# Altium PCB OECU_BASE.PcbDoc (part 2 of 6)
Units mil, origin at the board's own origin, x right, y up, seen from the top; angles counter-clockwise.
Board outline 3937.01 x 3937.01 mil, 6 copper layers (SIG1, GND1, SIG2, POWER, GND2, SIG3), stack 60.566 mil thick; 357 components, 364 nets, 1500 pads, 1127 vias.
Unrouted connection lines stored in the file: 1.
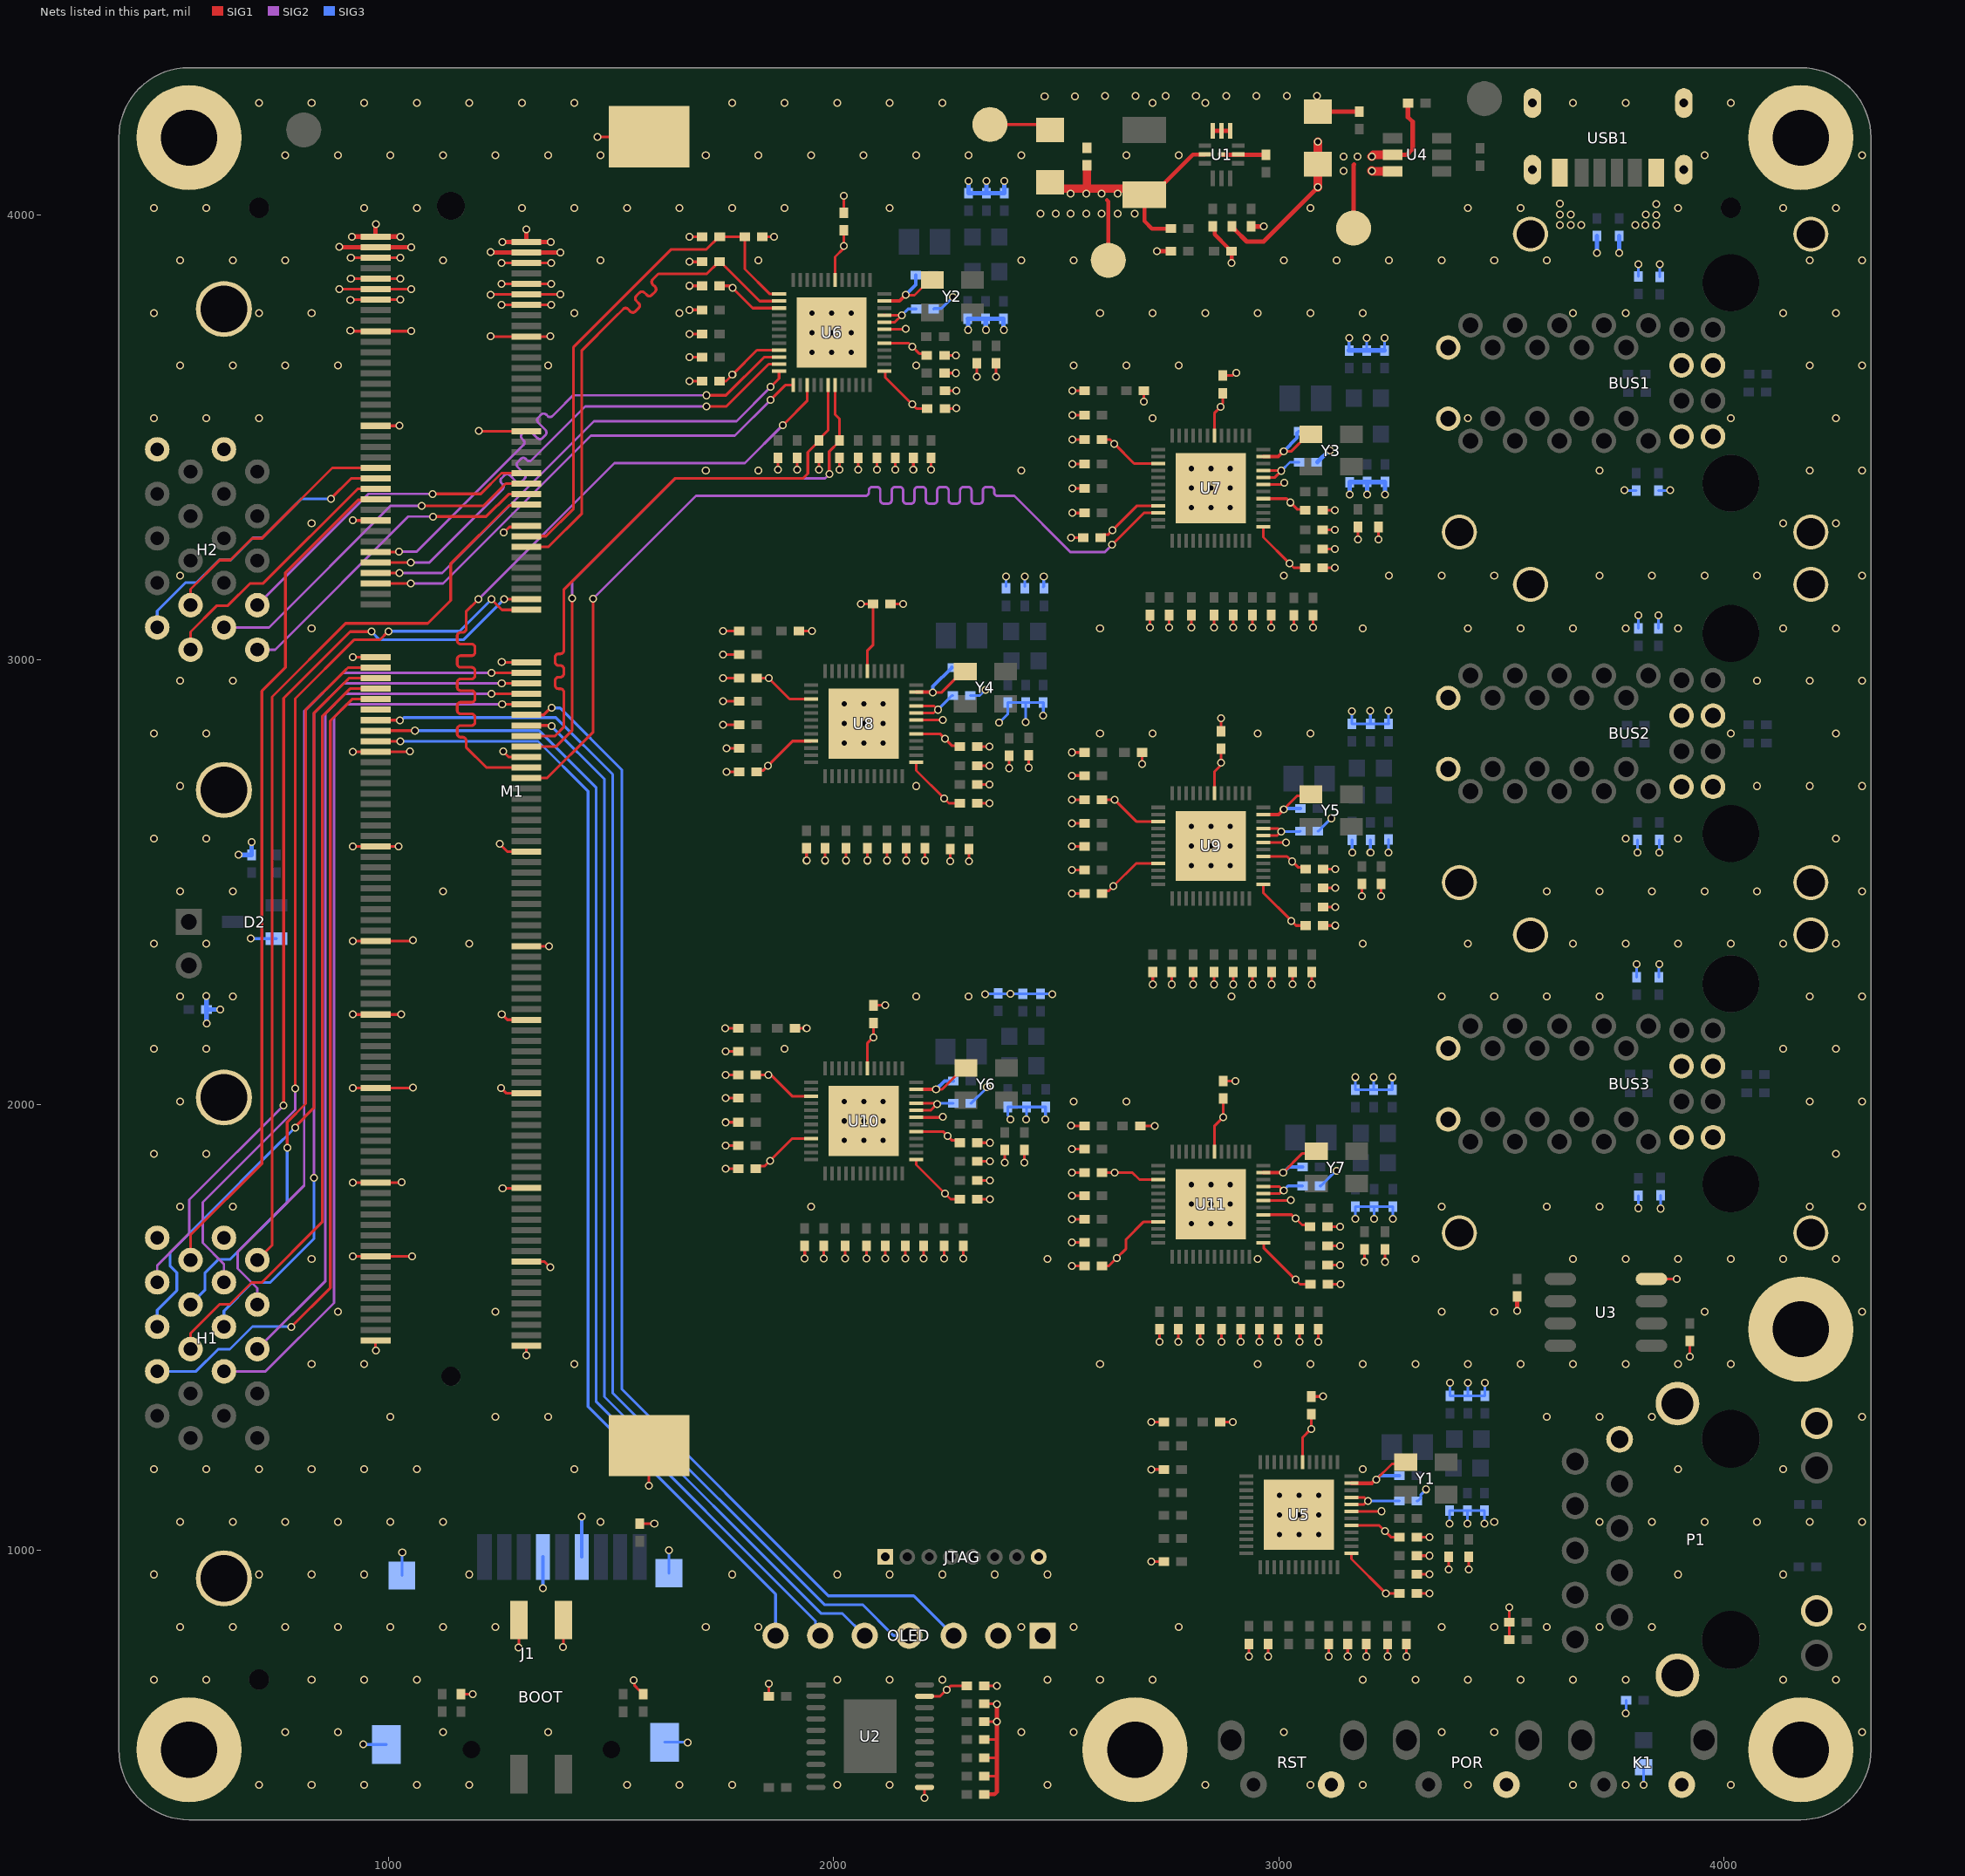
[diagram p6: the nets of this part, all layers, seen from the top]

## Via types
v1: diameter 17.72, hole 11.81, SIG1 to SIG3, tented both sides, 1064 vias
v2: diameter 23.62, hole 11.81, SIG1 to SIG3, tented both sides, 63 vias

## Nets (pads, with @x,y where several pads share a name; then routed paths per layer and width w, separated by ;. In a path a pad name is that pad's centre, name@x,y a point inside that pad or via, vN(x,y) a via of type N, cw(c..) or ccw(c..) an arc to the next point about the centre after c; other vN are vias at no path point) (continued)
3V3: 3V3.1 BUS1.D14 BUS1.U14 BUS2.D14 BUS2.U14 BUS3.D14 BUS3.U14 C4.2 C6.2 C7.2 C9.2 C10.2 C13.1 C14.1 C15.1 C16.1 C31.1 C32.1 C35.1 C36.1 C39.1 C43.1 C46.1 C47.1 C50.1 C51.1 C54.1 C57.1 C61.1 C62.1 C63.1 C66.1 C69.1 C72.1 C76.1 C77.1 C80.1 C83.1 C86.1 C88.1 C91.1 C92.1 C93.1 C96.1 C99.1 C102.1 C106.1 C107.1 C110.1 C113.1 C116.1 C118.1 D1.A FB1.2 FB4.2 FB7.2 FB10.2 FB13.2 FB16.2 FB19.2 J1.4 JTAG.1 L1.1 OLED.2 P1.14 R3.2 R4.2 R7.1 R8.1 R9.1 R10.1 R11.1 R12.1 R13.1 R21.2 R31.1 R33.2 R35.1 R36.1 R37.1 R39.2 R48.1 R49.1 R50.1 R51.1 R58.2 R59.2 R60.2 R61.2 R62.2 R63.2 R64.2 R69.2 R71.1 R72.1 R73.1 R74.1 R81.2 R82.2 R83.2 R84.2 R85.2 R86.2 R87.2 R92.2 R94.1 R95.1 R96.1 R97.1 R104.2 R105.2 R106.2 R107.2 R108.2 R109.2 R110.2 R115.2 R117.1 R118.1 R119.1 R120.1 R127.2 R128.2 R129.2 R130.2 R131.2 R132.2 R133.2 R138.2 R140.1 R141.1 R142.1 R143.1 R150.2 R151.2 R152.2 R153.2 R154.2 R155.2 R156.2 R161.2 R163.1 R164.1 R165.1 R166.1 R173.2 R174.2 R175.2 R176.2 R177.2 R178.2 R179.2 R184.2 U1.2 U2.19 U5.6 U5.37 U5.41 U5.44 U5.45 U6.6 U6.15 U6.21 U6.37 U6.41 U6.44 U6.45 U7.6 U7.15 U7.21 U7.37 U7.41 U7.44 U7.45 U8.6 U8.15 U8.21 U8.37 U8.41 U8.44 U8.45 U9.6 U9.15 U9.21 U9.37 U9.41 U9.44 U9.45 U10.6 U10.15 U10.21 U10.37 U10.41 U10.44 U10.45 U11.6 U11.15 U11.21 U11.37 U11.41 U11.44 U11.45 | length 9366.8
  SIG1 w6: R4.2@1162,675.69 1188.69,675.69 v1(1189,676) ; v1(1550,707) 1551.97,705.03 1551.97,695.71 1563.19,684.5 1565.16,684.5 1572,677.65 R3.2@1572,675.69 ; R13.1@1564,1058.68 1596.68,1058.68 v1(1597,1059) ; v1(1676,3680.5) R63.2@1704.31,3680.5 ; v1(1676,3950.5) R48.1@1704.63,3950.5 ; C32.1@1743.68,3626.5 1758,3626.5 v1(1772.35,3640.85) 1827.52,3696.02 U6.21@1877.28,3696.02 ; v1(1751,2854) R108.2@1787.31,2854 ; v1(1751,2907) R106.2@1787.31,2907 ; v1(1751,3012) R110.2@1787.31,3012 ; v1(1751,3065) R94.1@1787.32,3065 ; v1(1756,2172) R140.1@1785.32,2172 ; v1(1757,1909) R155.2@1785.31,1909 ; v1(1757,1961) R154.2@1785.31,1961 ; v1(1757,2015) R152.2@1785.31,2015 ; v1(1757,2120) R156.2@1785.31,2120 ; v1(1759,2801) R109.2@1787.31,2801 ; C93.1@1824.68,1857 1830.22,1862.53 1845.01,1862.53 v1(1856.99,1874.51) 1907.11,1924.63 U10.21@1949.28,1924.63 ; C92.1@1824.68,2067 v1(1853,2067) 1859.5,2067 1907.38,2019.12 U10.15@1949.28,2019.12 ; C63.1@1826.68,2748 1829.67,2750.98 1840.98,2750.98 v1(1852.5,2762.5) 1907.52,2817.52 U8.21@1949.28,2817.52 ; C62.1@1826.68,2959 v1(1854,2959) 1900.99,2912.01 U8.15@1949.28,2912.01 ; v1(1918,3427.5) R51.1@1918,3453.82 ; v1(1966.5,3427.5) R58.2@1966.5,3452.81 ; v1(1978,1655) R143.1@1978,1683.32 ; v1(1981,2549) R97.1@1981,2576.63 ; U6.6@2003.26,3853.5 2003.26,3905.76 2022.32,3924.82 v1(2022.32,3930.5) C43.1@2022.32,3965.26 ; v1(2026,1655) R150.2@2026,1683.31 ; v1(2028,2549) R104.2@2028,2576.63 ; v1(2055,3427.5) R61.2@2055,3453.81 ; v1(2061,3126) C61.1@2088,3126 ; v1(2074,1655) R151.2@2074,1683.31 ; U10.6@2075.26,2082.11 2075.26,2138.26 v1(2089,2152) C91.1@2089,2184.32 ; U8.6@2075.26,2975 2075.26,3020.26 2088,3033 C61.1@2088,3126 ; v1(2076,2549) R105.2@2076,2576.63 ; C61.1@2088.32,3126 C61.1@2088,3126 ; v1(2097,3427.5) R50.1@2097,3453.82 ; U6.37@2113.5,3648.78 2114.52,3648.78 2115.46,3647.84 2115.46,3635.04 v1(2176.5,3574) 2186,3564.5 C35.1@2210.32,3564.5 C35.1@2217.78,3564.5 ; U6.41@2113.5,3711.77 2168.73,3711.77 v1(2176.5,3704) 2192.02,3688.48 2205.33,3688.48 C39.1@2209.32,3684.5 ; U6.44@2113.5,3759.01 2137.51,3759.01 v1(2153,3774.5) 2113.76,3774.5 U6.45@2113.5,3774.76 ; v1(2116,1655) R153.2@2116,1683.31 ; v1(2120,2549) R107.2@2120,2576.63 ; v1(2163,2549) R96.1@2163,2576.63 ; v1(2179,3427.5) R49.1@2179,3453.82 ; U10.37@2185.5,1877.39 2185.5,1865.5 v1(2250,1801) 2263,1788 C96.1@2283.32,1788 ; U10.41@2185.5,1940.38 2245.62,1940.38 v1(2255.82,1930.18) 2266.02,1919.98 2278.33,1919.98 C99.1@2283.32,1915 ; U10.44@2185.5,1987.62 2217.62,1987.62 v1(2232,2002) 2230.63,2003.37 U10.45@2185.5,2003.37 ; U8.37@2185.5,2770.28 2185.5,2751.5 v1(2248.5,2688.5) 2259,2678 C66.1@2283.32,2678 ; U8.41@2185.5,2833.27 2239.73,2833.27 v1(2250.5,2822.5) 2266.02,2806.98 2281.33,2806.98 C72.1@2283.32,2805 ; U8.44@2185.5,2880.51 2224.63,2880.51 2232.12,2888 v1@2232.89,2888 ; U8.45@2185.58,2896.34 2225.66,2896.34 v1(2234,2888) ; v1(2202,1655) R142.1@2202,1683.32 ; U2.19@2204.09,671.26 2239.26,671.26 v1(2254,686) 2254.42,686 2263.37,694.95 C7.2@2299.31,694.95 ; R69.2@2249.69,3604.5 v1(2276,3604.5) ; v1(2261.5,2547.66) R95.1@2261.5,2575.29 ; v1(2291,1655) R141.1@2291,1683.32 ; R161.2@2322.69,1830 v1(2351,1830) ; R115.2@2322.69,2720 v1(2350.32,2720) ; R8.1@2338.57,491.95 2366.41,491.95 2366.73,491.63 ; R9.1@2338.57,532.95 2366.41,532.95 2366.73,532.63 ; R10.1@2338.57,573.95 2366.41,573.95 2366.73,573.63 ; R11.1@2338.57,613.95 v1(2366.41,613.95) ; R12.1@2338.57,653.95 2366.41,653.95 v1(2366.73,653.63) ; v1(2365,3636.13) FB4.2@2365,3666.13 ; v1(2428,1870.31) FB16.2@2428,1898.63 ; v1(2438,2757.68) FB10.2@2438,2785.31 ; v1(2533,1954) 2534,1953 R163.1@2563.32,1953 ; v1(2535.01,1690.99) R178.2@2563.31,1691 ; v1(2535.01,1742.99) R177.2@2563.31,1743 ; v1(2535,1796) R175.2@2563.31,1796 ; v1(2535,1901) R179.2@2563.31,1901 ; v1(2535,2528) R132.2@2563.31,2528 ; v1(2535,2581) R131.2@2563.31,2581 ; v1(2535,2633) R129.2@2563.31,2633 ; v1(2535,2740) R133.2@2563.31,2740 ; v1(2535,2792) R117.1@2563.32,2792 ; v1(2536,3330) R86.2@2563.31,3330 ; v1(2536,3385) R85.2@2563.31,3385 ; v1(2536,3440) R83.2@2563.31,3440 ; v1(2536,3550) R87.2@2563.31,3550 ; v1(2536,3605) R71.1@2563.32,3605 ; C47.1@2599.68,3275 2605.72,3281.03 2616.03,3281.03 v1(2626,3291) 2681.52,3346.52 U7.21@2729.28,3346.52 ; C110.1@2602.68,1638 2618,1638 v1(2636,1656) 2657,1677 2657,1697.98 2696.54,1737.52 U11.21@2729.28,1737.52 ; C107.1@2602.68,1848 v1(2631,1848) 2671,1848 2686.99,1832.01 U11.15@2729.28,1832.01 ; C80.1@2602.68,2475 2608.68,2481 2618,2481 v1(2628.5,2491.5) 2679.52,2542.52 U9.21@2729.28,2542.52 ; C77.1@2602.68,2686 v1(2631,2686) 2679.99,2637.01 U9.15@2729.28,2637.01 ; C46.1@2602.68,3495 2621,3495 v1(2630.5,3485.5) 2674.99,3441.01 U7.15@2729.28,3441.01 ; v1(2711,3073) R74.1@2711,3100.63 ; v1(2714.01,1286.99) R35.1@2742.32,1287 ; v1(2760,2270.69) R120.1@2760,2298.32 ; v1(2774.01,1468.01) R166.1@2774,1496.32 ; v1(2804,3073) R81.2@2804,3100.63 ; v1(2808,2270.68) R127.2@2808,2298.31 ; v1(2823.01,1468.01) R173.2@2823,1496.31 ; v1(2855,2270.68) R128.2@2855,2298.31 ; v1(2855,3073) R82.2@2855,3100.63 ; U11.6@2855.26,1895 2855.26,1952.26 v1(2875,1972) C106.1@2875,2014.32 ; U9.6@2855.26,2700 2855.26,2748.26 2870,2763 v1(2870,2769) C76.1@2870,2800.32 ; U7.6@2855.26,3504 2855.26,3554.26 v1(2869.5,3568.5) 2869.5,3571.67 2874,3576.17 C57.1@2874,3599.32 ; v1(2871.01,1468.01) R174.2@2871,1496.31 ; v1(2898,2270.68) R130.2@2898,2298.31 ; v1(2898,3073) R84.2@2898,3100.63 ; v1(2914.01,1468.01) R176.2@2914,1496.31 ; v1(2941,2270.69) R119.1@2941,2298.32 ; v1(2941,3073) R73.1@2941,3100.63 ; v1(2957.01,1468.01) R165.1@2957,1496.32 ; U11.37@2965.5,1690.28 2965.5,1689.99 2966.15,1689.34 2966.15,1678.85 v1(3037.5,1607.5) 3047.89,1597.11 C113.1@3070.93,1597.11 ; U11.41@2965.5,1753.27 3028.63,1753.27 3036.89,1745 v1(3038,1745) 3052.63,1730.37 3065.67,1730.37 C116.1@3069.93,1726.11 ; U11.44@2965.5,1800.51 3001.63,1800.51 3009.12,1808 v1@3009.89,1808 ; U11.45@2965.5,1816.26 3001.63,1816.26 v1@3009.89,1808 ; U9.37@2965.5,2495.28 2965.5,2476.5 v1(3028.5,2413.5) 3039,2403 C83.1@3060.32,2403 ; U9.41@2965.5,2558.27 3018.73,2558.27 v1(3030,2547) 3043.02,2533.98 3056.33,2533.98 C86.1@3060.32,2530 ; U9.44@2965.5,2605.51 2996.63,2605.51 v1@3005.12,2614 ; U9.45@2965.5,2621.26 2997.85,2621.26 v1@3005.11,2614 ; U7.37@2965.5,3299.28 2965.5,3275.5 v1(3024,3217) 3034,3207 C50.1@3059.32,3207 ; U7.41@2965.5,3362.27 3017.73,3362.27 v1(3026.5,3353.5) 3042.02,3337.98 3057.33,3337.98 C51.1@3059.32,3336 ; U7.44@2965.5,3409.51 2990.51,3409.51 v1(3006,3425) 3005.74,3425.26 U7.45@2965.5,3425.26 ; v1(2976.01,760.7) R31.1@2976,789 ; v1(3006,2614) v1@3005.12,2614 ; v1(3011,1808) v1@3009.89,1808 ; v1(3031,2271) R118.1@3031,2298.63 ; v1(3034,3072.69) R72.1@3034,3100.32 ; v1(3047.01,1468.01) R164.1@3047,1496.32 ; U5.6@3053.26,1197 3053.26,1252.26 v1(3073,1272) C15.1@3073,1305.32 ; R92.2@3098.69,3249 v1(3126.32,3249) ; R138.2@3099.69,2445 v1(3127.32,2445) ; R184.2@3109.98,1640.11 v1(3138.29,1640.12) ; v1(3112.01,760.7) R39.2@3112,789 ; v1(3155.01,760.7) R37.1@3155,789 ; U5.37@3163.5,992.28 3163.5,979.5 v1(3241,902) C16.1@3271.32,902 ; U5.41@3163.5,1055.27 3225.73,1055.27 v1(3238.87,1042.13) 3252,1029 C13.1@3271.32,1029 ; U5.44@3163.5,1102.51 3191.63,1102.51 3199.12,1110 v1@3199.89,1110 ; U5.45@3163.5,1118.26 3191.63,1118.26 v1@3199.89,1110 ; v1(3178,3271) FB7.2@3178,3298.63 ; v1(3187,2468.68) FB13.2@3187,2496.31 ; v1(3201,1110) v1@3199.89,1110 ; v1(3238.62,1647.44) FB19.2@3238.61,1675.74 ; v1(3245.01,760.7) R36.1@3245,789 ; R33.2@3310.37,945 v1(3338.67,945.01) ; v1(3382.01,956.01) FB1.2@3382,984.31
  SIG1 w6.16: v1(1676,3732.5) R62.2@1704.31,3732.5 ; v1(1676,3786.5) R60.2@1704.31,3786.5 ; v1(1676,3894.5) R64.2@1704.31,3894.5 ; C31.1@1743.68,3840.5 1768,3840.5 v1(1772.5,3836) 1817.99,3790.51 U6.15@1877.28,3790.51 ; v1(2013,3427.5) R59.2@2013,3453.81
  SIG1 w9: R7.1@2338.57,450.95 2361.45,450.95 2366.73,456.22 2366.73,491.63 2366.73,532.63 2366.73,573.63 2366.73,613.63 v1(2366.41,613.95) 2366.73,614.26 v1(2366.73,653.63) ; C10.2@2486,4072.94 C10.2@2499.94,4059 ; 2614,4033 2617,4030 3V3.1@2617,3898 ; L1.1@2664.48,4059 2678.32,4045.17 L1.1@2698,4045.17 ; R21.2@2757.31,3969 2715,3969 2698,3986 L1.1@2698,4045.17 ; U1.2@2834.21,4135.5 2807.5,4135.5 2742.71,4070.71 2742.71,4070.19 2717.68,4045.17 L1.1@2698,4045.17 ; C4.2@2851.6,3973.81 2856.27,3969.14 2856.27,3955.73 2886.69,3925.31 2886.69,3923.34 2892.03,3918 C6.2@2894,3918 v1(2894,3892)
  SIG1 w18: C10.2@2499.94,4059 2569,4059 ; C9.2@2569,4111.31 2569,4059 ; L1.1@2664.48,4059 2569,4059
  SIG3 w6: v1@1346.7,914.3 v1(1347,914) ; v1(2153,3774.5) 2167,3788.5 C36.1@2185.32,3788.5 ; v1(2232,2002) 2234,2004 C102.1@2268.32,2004 ; v1(2234,2888) 2258.5,2912.5 2258.5,2913.16 2265.35,2920 C69.1@2267.32,2920 ; v1(3006,2614) 3047.32,2614 C88.1@3048.32,2615 ; v1(3006,3425) 3025,3444 C54.1@3045.32,3444 ; v1(3011,1808) 3021,1818 C118.1@3053.32,1818 ; v1(3201,1110) C14.1@3271.32,1110 ; v1(3820,472) D1.A@3820,511.68
  SIG3 w8: v1@1346.7,914.3 J1.4@1346.7,984.25
  other v1: 2465,4003 2499,4003 2532,4003 2568,4003 2602,4003 2638,4003 2676,4003 2532,4048 2568,4048 2602,4048 2638,4048
5V: 5V.1 C1.2 C5.1 H1.20 H2.20 M1.1 M1.2 M1.3 M1.4 R5.2 R16.2 R191.1 U1.8 U1.13 U4.2 U4.3 | length 1546
  SIG1 w9: U1.13@2871.6,4135.5 U1.13@2871.91,4135.18
  SIG1 w10: v1(889,3928) 889.52,3927.48 1050.52,3927.48 v1(1051,3927) ; v1(917,3951) 917.1,3951.1 M1.1@970.71,3951.1 ; v1(971,3979) 970.71,3978.71 M1.1@970.71,3951.1 ; v1(1026,3951) 1025.9,3951.1 M1.1@970.71,3951.1 ; v1(1229,3916) 1229.33,3915.67 1385.33,3915.67 v1(1386,3915) ; v1(1255.58,3939.19) 1255.68,3939.29 M1.2@1309.29,3939.29 ; v1(1309.58,3967.19) 1309.29,3966.9 M1.2@1309.29,3939.29 ; v1(1364.58,3939.19) 1364.48,3939.29 M1.2@1309.29,3939.29 ; U1.13@2871.91,4135.18 R5.2@2971.6,4135.18 ; R16.2@2894.6,3973.81 2894.6,3971.84 2899.44,3967 2901.41,3967 2928.41,3940 2966,3940 v1(3088,4062) ; 5V.1@3168,3970 3168,4112 3169,4113 ; U4.2@3255.88,4135 3288,4135 3301,4148 3301,4209 3290.32,4219.69 C5.1@3290.32,4251
  SIG1 w20: v1(3088,4062) C1.2@3088,4113.94 v1(3088,4164) ; v1(3209,4099) 3210.4,4097.6 U4.3@3255.88,4097.6 ; v1(3209,4131) 3213,4135 U4.2@3255.88,4135
  SIG3 w10: v1(590.37,2245) 590.68,2244.69 R191.1@590.68,2214 ; v1(591,2183) 590.68,2183.32 R191.1@590.68,2214 ; v1(621.69,2214.32) 621.37,2214 R191.1@590.68,2214
  other v1: 3146,4099 3146,4131 3177,4131
GND: BOOT.3 BOOT.4 BUS1.1 BUS1.2 BUS1.3 BUS1.4 BUS1.D10 BUS1.D12 BUS1.U10 BUS1.U12 BUS2.1 BUS2.2 BUS2.3 BUS2.4 BUS2.D10 BUS2.D12 BUS2.U10 BUS2.U12 BUS3.1 BUS3.2 BUS3.3 BUS3.4 BUS3.D10 BUS3.D12 BUS3.U10 BUS3.U12 C1.1 C2.1 C3.2 C7.1 C9.1 C10.1 C11.2 C12.1 C13.2 C14.2 C15.2 C16.2 C17.2 C18.2 C19.2 C20.1 C21.1 C22.1 C23.1 C24.1 C25.1 C26.1 C27.1 C28.1 C29.1 C30.2 C31.2 C32.2 C33.1 C34.1 C35.2 C36.2 C37.1 C38.1 C39.2 C40.1 C41.1 C42.1 C43.2 C44.1 C45.2 C46.2 C47.2 C48.1 C49.1 C50.2 C51.2 C52.1 C53.1 C54.2 C55.1 C56.1 C57.2 C58.1 C59.1 C60.2 C61.2 C62.2 C63.2 C64.1 C65.1 C66.2 C67.1 C68.1 C69.2 C70.1 C71.1 C72.2 C73.1 C74.1 C75.2 C76.2 C77.2 C78.1 C79.1 C80.2 C81.1 C82.1 C83.2 C84.1 C85.1 C86.2 C87.1 C88.2 C89.1 C90.2 C91.2 C92.2 C93.2 C94.1 C95.1 C96.2 C97.1 C98.1 C99.2 C100.1 C101.1 C102.2 C103.1 C104.1 C105.2 C106.2 C107.2 C108.1 C109.1 C110.2 C111.1 C112.1 C113.2 C114.1 C115.1 C116.2 C117.1 C118.2 C119.1 C120.1 C121.1 C122.1 C123.1 C124.1 C125.1 C126.1 C127.1 C128.1 C129.1 C130.1 D2.2 GND.1 H1.10 H1.21 H1.22 H2.10 H2.21 H2.22 J1.6 J1.10 JTAG.8 K1.1 M1.0 M1.5 M1.6 M1.9 M1.10 M1.11 M1.12 M1.13 M1.14 M1.19 M1.20 M1.37 M1.38 M1.55 M1.56 M1.73 M1.74 M1.91 M1.92 M1.109 M1.110 M1.127 M1.128 M1.141 M1.142 M1.155 M1.156 M1.173 M1.174 M1.187 M1.188 M1.203 M1.204 OLED.1 P1.10 P1.12 P1.15 P1.16 pad.1 POR.1 R6.2 R14.1 R15.1 R19.2 R20.2 R22.2 R34.2 R45.2 R46.2 R47.2 R66.2 R67.2 R68.2 R70.2 R89.2 R90.2 R91.2 R93.2 R112.2 R113.2 R114.2 R116.2 R135.2 R136.2 R137.2 R139.2 R158.2 R159.2 R160.2 R162.2 R181.2 R182.2 R183.2 R185.2 R192.2 RST.1 U1.10 U1.11 U1.12 U2.11 U3.8 U5.43 U5.47 U5.49 U6.43 U6.47 U6.49 U7.43 U7.47 U7.49 U8.43 U8.47 U8.49 U9.43 U9.47 U9.49 U10.43 U10.47 U10.49 U11.43 U11.47 U11.49 USB1.0 USB1.1 USB1.6 Y1.2 Y2.2 Y3.2 Y4.2 Y5.2 Y6.2 Y7.2 | length 11098.3
  SIG1 w6: v1(889,3833) M1.11@970.71,3832.99 v1(1051,3833) ; v1(914,3740) 915.5,3738.5 M1.19@970.71,3738.5 1050.5,3738.5 v1(1051,3739) ; v1(914,3809) 914.37,3809.37 M1.13@970.71,3809.37 1026.37,3809.37 v1(1026.42,3809.32) ; v1(915,3856.66) 915.05,3856.61 M1.9@970.71,3856.61 v1(1026.42,3856.57) v1(1026.42,3856.57) ; v1(915,3903.91) v1(915,3903.91) M1.5@970.71,3903.86 1026.37,3903.86 v1(1026.42,3903.81) ; v1(919,1659.85) 919.1,1659.76 M1.187@970.71,1659.76 1052.76,1659.76 v1(1053,1660) ; v1(919,1825.21) 919.1,1825.11 M1.173@970.71,1825.11 1028.11,1825.11 v1(1029,1826) ; v1(919,2037.81) 919.1,2037.71 M1.155@970.71,2037.71 1053.71,2037.71 v1(1055,2039) ; v1(919,2203.16) 919.1,2203.07 M1.141@970.71,2203.07 1027.07,2203.07 v1(1028,2204) ; v1(919,2581.12) 919.1,2581.02 M1.109@970.71,2581.02 1022.32,2581.02 v1(1022.42,2580.93) ; v1(919,2793.71) 919.1,2793.62 M1.91@970.71,2793.62 1047.62,2793.62 v1(1048,2794) ; v1(919,3006.31) 919.1,3006.22 M1.73@970.71,3006.22 ; v1(919,3313.4) 919.1,3313.31 M1.55@970.71,3313.31 ; v1(919.3,2368.52) 919.4,2368.42 M1.127@971.01,2368.42 ; M1.203@970.71,1470.78 970.71,1448.29 v1(971,1448) ; M1.127@970.71,2368.42 1053.42,2368.42 v1(1055,2370) ; M1.37@970.71,3525.9 1023.9,3525.9 v1(1024,3526) ; v1@1202.91,3514.09 M1.38@1309.29,3514.09 ; v1(1229,3727) 1229.31,3726.69 M1.20@1309.29,3726.69 1362.69,3726.69 v1(1363,3727) ; v1(1229,3820) 1230.18,3821.18 M1.12@1309.29,3821.18 1385.82,3821.18 v1(1386,3821) ; v1(1249.5,2586.5) 1266.79,2569.21 M1.110@1309.29,2569.21 ; v1(1253,2038) 1265.1,2025.9 M1.156@1309.29,2025.9 ; v1(1253.58,3797.61) v1(1253.58,3797.61) M1.14@1309.29,3797.56 1364.95,3797.56 v1(1365,3797.51) ; v1(1253.58,3844.85) v1(1253.58,3844.85) M1.10@1309.29,3844.8 v1(1365,3844.76) v1(1365,3844.76) ; v1(1253.58,3892.09) 1253.63,3892.05 M1.6@1309.29,3892.05 v1(1365,3892) v1(1365,3892) ; v1(1254,2204) 1266.74,2191.26 M1.142@1309.29,2191.26 ; v1(1254,2995) 1254.59,2994.41 M1.74@1309.29,2994.41 ; v1(1256,1813) 1256.66,1812.34 1308.33,1812.34 M1.174@1309.29,1813.3 ; v1(1257.5,2794) 1269.69,2781.81 M1.92@1309.29,2781.81 ; v1(1258.5,3286) 1271.11,3298.6 1306.39,3298.6 M1.56@1309.29,3301.49 ; v1(1292,781) 1292.35,781.35 BOOT.4@1292.35,842.52 ; v1(1309,1437) 1309.29,1437.29 M1.204@1309.29,1458.97 ; M1.188@1309.29,1647.95 1350.05,1647.95 v1(1363,1635) ; M1.128@1309.29,2356.61 1360.39,2356.61 v1(1360.5,2356.5) ; v1(1392,782) 1392.35,782.35 BOOT.3@1392.35,842.52 ; v1(1469,4175) 1584.37,4175 M1.0@1584.88,4175.51 ; M1.0@1584.88,1234.57 1584.88,1144.12 v1(1585,1144) ; v1(1676,3626.5) C32.2@1704.31,3626.5 ; v1(1751,2959) C62.2@1787.31,2959 ; v1(1757,1857) C93.2@1785.31,1857 ; v1(1757,2067) C92.2@1785.31,2067 ; v1(1759,2748) C63.2@1787.31,2748 ; R66.2@1839.69,3950.5 v1(1866,3950.5) ; C2.1@1854.32,670.85 1854.32,698.69 v1(1854.63,699) ; v1(1875,3427.5) C30.2@1875,3453.81 ; R158.2@1912.69,2172 v1(1939,2172) ; R112.2@1921.69,3065 v1(1951,3065) ; v1(1935,1655) C90.2@1935,1683.31 ; v1(1939,2549) C60.2@1939,2576.63 ; C43.2@2022.32,4004.63 v1(2022.32,4042.94) ; C91.2@2089.33,2224.02 v1(2116,2224.02) ; U6.43@2113.5,3743.26 2161.76,3743.26 v1(2162,3743.5) ; C61.2@2127.69,3126 v1(2156,3126) ; v1(2138,3427.5) R68.2@2138,3453.81 ; v1(2161,1655) R160.2@2161,1683.31 ; v1(2162,3820.5) 2163,3819.5 2181.54,3819.5 2215.51,3853.47 Y2.2@2221.42,3853.47 ; U10.43@2185.5,1971.87 2243.87,1971.87 v1(2245,1973) ; U8.43@2185.5,2864.76 v1@2237.59,2864.76 ; v1(2204,443) 2204.09,443.09 U2.11@2204.09,466.53 ; v1(2205,2549) R114.2@2205,2576.63 ; v1(2219,3427.5) R67.2@2219,3453.81 ; v1@2222.24,2927.76 v1(2223,2927) 2242.7,2927 2289.69,2973.99 Y4.2@2295.6,2973.99 ; v1@2229.87,2034.87 v1(2230,2035) 2243.54,2035 2291.51,2082.97 Y6.2@2297.42,2082.97 ; v1(2248,1655) R159.2@2248,1683.31 ; R70.2@2248.69,3644.5 v1(2275,3644.5) ; C39.2@2248.69,3684.5 v1(2275,3684.5) ; C35.2@2249.69,3564.5 2249.95,3564.77 2275.27,3564.77 v1(2276,3565.5) ; v1(2304,2547.68) R113.2@2304,2575.31 ; v1(2322,3636.13) C29.1@2322,3666.13 ; C96.2@2322.69,1788 v1(2351,1788) ; R162.2@2322.69,1873 v1(2351,1873) ; C99.2@2322.69,1915 v1(2351,1915) ; C66.2@2322.69,2678 v1(2350.32,2678) ; R116.2@2322.69,2762 v1(2350.32,2762) ; C72.2@2322.69,2805 v1(2350.32,2805) ; C7.1@2338.68,694.95 2366.52,694.95 v1(2366.84,694.63) ; GND.1@2351,4203 2474.06,4203 C10.1@2486,4191.06 ; v1(2384,1870.32) C89.1@2384,1898.63 ; v1(2394,2756.69) C59.1@2394,2784.32 ; v1(2533,3275) C47.2@2560.31,3275 ; v1(2535.01,1637.99) C110.2@2563.31,1638 ; v1(2535.01,1847.99) C107.2@2563.31,1848 ; v1(2535,2475) C80.2@2563.31,2475 ; v1(2535,2686) C77.2@2563.31,2686 ; v1(2536,3495) C46.2@2563.31,3495 ; R181.2@2688.69,1953 v1(2721,1953) ; R135.2@2692.69,2792 2692.69,2766.31 v1(2693,2766) ; R89.2@2696.69,3605 2696.69,3580.31 v1(2697,3580) ; v1(2714.01,973.99) C18.2@2742.31,974 ; v1(2714.01,1180.99) C17.2@2742.31,1181 ; v1(2717,2270.68) C75.2@2717,2298.31 ; v1(2732.01,1468.01) C105.2@2732,1496.31 ; v1(2754,3073) C45.2@2754,3100.63 ; R45.2@2868.69,1287 v1(2896.99,1287.01) ; C76.2@2870,2839.69 v1(2870,2869) ; C57.2@2874.06,3638.69 2895.63,3638.69 2901.94,3645 v1(2905,3645) ; C106.2@2875,2053.69 2902.69,2053.69 v1(2903,2054) ; v1(2933.01,760.7) C19.2@2933,789 ; U11.43@2965.5,1784.76 3025.76,1784.76 v1(3027,1786) ; U9.43@2965.5,2589.76 3015.76,2589.76 v1(3016,2590) ; U7.43@2965.5,3393.76 3004.59,3393.76 3008.83,3398 v1(3012,3398) ; v1(2983,3073) R91.2@2983,3100.63 ; v1(2984,2270.68) R137.2@2984,2298.31 ; v1(2999.01,1468.01) R183.2@2999,1496.31 ; v1@3009.76,1847.76 v1(3010,1848) 3053.34,1891.34 3079.79,1891.34 Y7.2@3084.42,1895.97 ; v1(3011,2664) 3041.34,2694.34 3068.79,2694.34 Y5.2@3072.42,2697.97 ; v1(3011,3469) 3028.54,3469 3066.51,3506.97 Y3.2@3072.42,3506.97 ; C15.2@3073,1344.69 3099.69,1344.69 v1(3100,1345) ; v1(3074,2270.68) R136.2@3074,2298.31 ; v1(3077,3072.68) R90.2@3077,3100.31 ; v1(3089.01,1468.01) R182.2@3089,1496.31 ; C50.2@3098.69,3207 v1(3126.32,3207) ; R93.2@3098.69,3292 v1(3126.32,3292) ; C51.2@3098.69,3336 v1(3126.32,3336) ; C83.2@3099.69,2403 v1(3127.32,2403) ; R139.2@3099.69,2488 v1(3127.32,2488) ; C86.2@3099.69,2530 v1(3127.32,2530) ; C116.2@3109.3,1726.11 v1(3137.6,1726.12) ; R185.2@3109.98,1683.11 v1(3138.29,1683.12) ; C113.2@3110.3,1597.11 v1(3138.6,1597.12) ; U5.43@3163.5,1086.76 3230.76,1086.76 v1(3231,1087) ; v1(3192.62,1647.44) C104.1@3192.61,1675.74 ; v1(3197.01,760.7) R47.2@3197,789 ; v1@3217.87,1158 v1(3219,1158) 3254.34,1193.34 3281.79,1193.34 Y1.2@3285.42,1196.97 ; v1(3224,3271) C44.1@3224,3298.63 ; v1(3230,2468.69) C74.1@3230,2496.32 ; v1(3287.01,760.7) R46.2@3287,789 ; R34.2@3310.37,987 v1(3338.67,987.01) ; C16.2@3310.69,902 v1(3338.99,902.01) ; C13.2@3310.69,1029 v1(3338.99,1029.01) ; v1(3427.01,956.01) C12.1@3427,984.32 ; v1(3518,871) 3518.32,870.68 C26.1@3518.32,838 C25.1@3518.32,798 ; U3.8@3837.36,1609 v1(3894,1609) ; v1(3924,1434) R19.2@3924,1469.31